# Altium PCB Power_PCB.PcbDoc (continued)
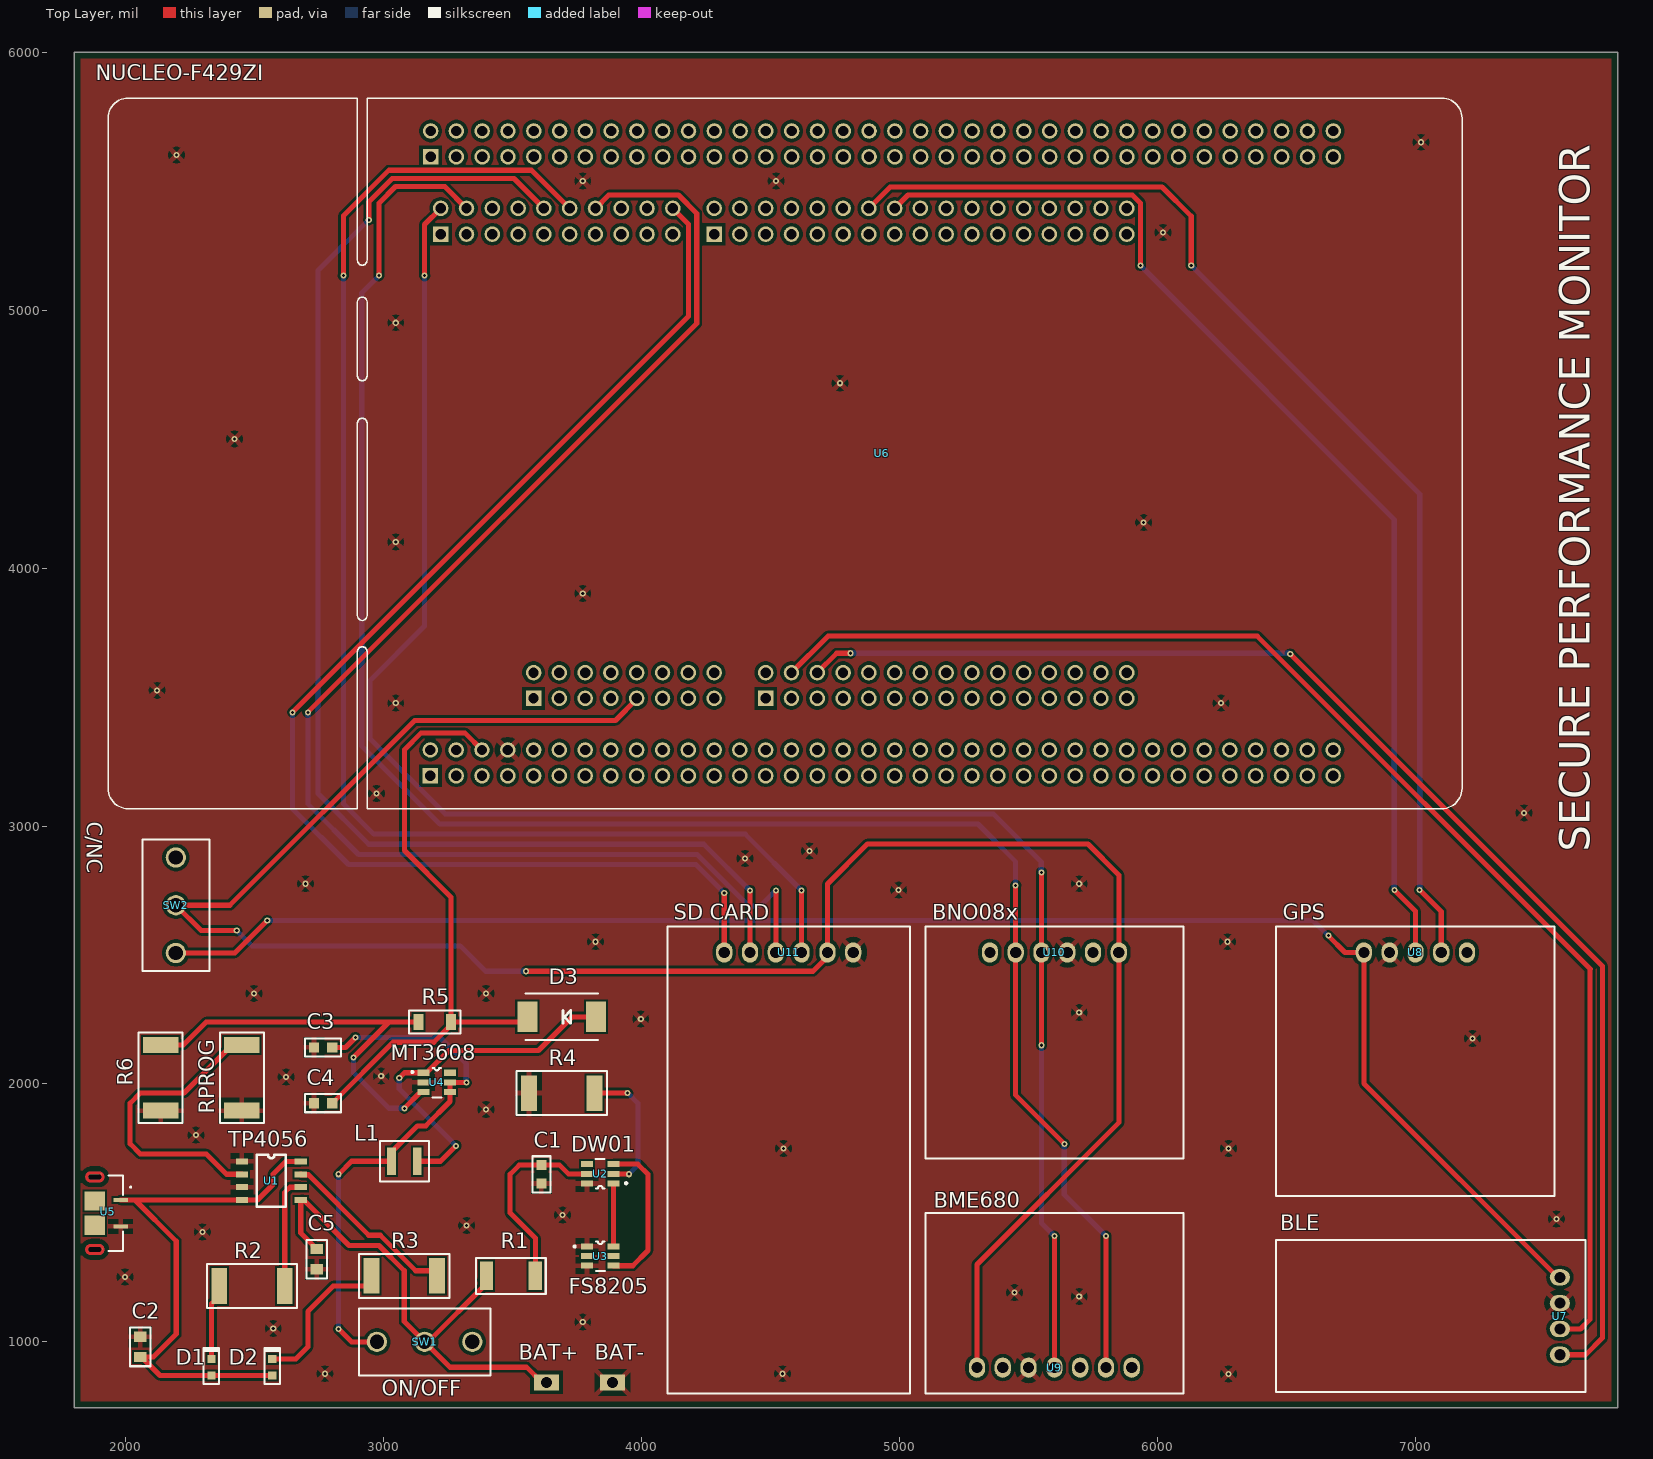
[diagram p0: Top Layer view]
## Footprints (in the part's own frame and the unit in brackets; to place one, negate y for a bottom-side part, rotate by r counter-clockwise, add the part's x,y. Pads: shape width x height; smd on the part's side, far side on the other; paste and mask are expansions set on the pad) (continued)
  Top Layer region: 4.1,-0.4 4.099,-0.427 4.097,-0.455 4.094,-0.482 4.089,-0.509 4.082,-0.536 4.074,-0.562 4.065,-0.588 4.055,-0.614 4.043,-0.638 4.03,-0.663 4.015,-0.686 4,-0.709 3.983,-0.73 3.965,-0.751 3.946,-0.771 3.926,-0.79 3.905,-0.808 3.884,-0.825 3.861,-0.84 3.838,-0.855 3.813,-0.868 3.789,-0.88 3.763,-0.89 3.737,-0.899 3.711,-0.907 3.684,-0.914 3.657,-0.919 3.63,-0.922 3.602,-0.924 3.575,-0.925 3.548,-0.924 3.52,-0.922 3.493,-0.919 3.466,-0.914 3.439,-0.907 3.413,-0.899 3.387,-0.89 3.361,-0.88 3.337,-0.868 3.313,-0.855 3.289,-0.84 3.266,-0.825 3.245,-0.808 3.224,-0.79 3.204,-0.771 3.185,-0.751 3.167,-0.73 3.15,-0.709 3.135,-0.686 3.12,-0.663 3.107,-0.638 3.095,-0.614 3.085,-0.588 3.076,-0.562 3.068,-0.536 3.061,-0.509 3.056,-0.482 3.053,-0.455 3.051,-0.427 3.05,-0.4 3.05,0 3.35,0 3.35,-0.4 3.35,-0.412 3.351,-0.424 3.353,-0.435 3.355,-0.447 3.358,-0.458 3.361,-0.47 3.365,-0.481 3.369,-0.492 3.375,-0.502 3.38,-0.513 3.386,-0.523 3.393,-0.532 3.4,-0.542 3.408,-0.551 3.416,-0.559 3.424,-0.567 3.433,-0.575 3.443,-0.582 3.452,-0.589 3.463,-0.595 3.473,-0.6 3.483,-0.606 3.494,-0.61 3.505,-0.614 3.517,-0.617 3.528,-0.62 3.54,-0.622 3.551,-0.624 3.563,-0.625 3.575,-0.625 3.587,-0.625 3.599,-0.624 3.61,-0.622 3.622,-0.62 3.633,-0.617 3.645,-0.614 3.656,-0.61 3.667,-0.606 3.677,-0.6 3.688,-0.595 3.698,-0.589 3.707,-0.582 3.717,-0.575 3.726,-0.567 3.734,-0.559 3.742,-0.551 3.75,-0.542 3.757,-0.532 3.764,-0.523 3.77,-0.513 3.775,-0.502 3.781,-0.492 3.785,-0.481 3.789,-0.47 3.792,-0.458 3.795,-0.447 3.797,-0.435 3.799,-0.424 3.8,-0.412 3.8,-0.4 3.8,0 4.1,0
  Bottom Layer region: -3.548,0.924 -3.52,0.922 -3.493,0.919 -3.466,0.914 -3.439,0.907 -3.413,0.899 -3.387,0.89 -3.361,0.88 -3.337,0.868 -3.313,0.855 -3.289,0.84 -3.266,0.825 -3.245,0.808 -3.224,0.79 -3.204,0.771 -3.185,0.751 -3.167,0.73 -3.15,0.709 -3.135,0.686 -3.12,0.663 -3.107,0.638 -3.095,0.614 -3.085,0.588 -3.076,0.562 -3.068,0.536 -3.061,0.509 -3.056,0.482 -3.053,0.455 -3.051,0.427 -3.05,0.4 -3.05,0 -3.35,0 -3.35,0.4 -3.35,0.412 -3.351,0.424 -3.353,0.435 -3.355,0.447 -3.358,0.458 -3.361,0.47 -3.365,0.481 -3.369,0.492 -3.375,0.502 -3.38,0.513 -3.386,0.523 -3.393,0.532 -3.4,0.542 -3.408,0.551 -3.416,0.559 -3.424,0.567 -3.433,0.575 -3.443,0.582 -3.452,0.589 -3.463,0.595 -3.473,0.6 -3.483,0.606 -3.494,0.61 -3.505,0.614 -3.517,0.617 -3.528,0.62 -3.54,0.622 -3.551,0.624 -3.563,0.625 -3.575,0.625 -3.587,0.625 -3.599,0.624 -3.61,0.622 -3.622,0.62 -3.633,0.617 -3.645,0.614 -3.656,0.61 -3.667,0.606 -3.677,0.6 -3.688,0.595 -3.698,0.589 -3.707,0.582 -3.717,0.575 -3.726,0.567 -3.734,0.559 -3.742,0.551 -3.75,0.542 -3.757,0.532 -3.764,0.523 -3.77,0.513 -3.775,0.502 -3.781,0.492 -3.785,0.481 -3.789,0.47 -3.792,0.458 -3.795,0.447 -3.797,0.435 -3.799,0.424 -3.8,0.412 -3.8,0.4 -3.8,0 -4.1,0 -4.1,0.4 -4.099,0.427 -4.097,0.455 -4.094,0.482 -4.089,0.509 -4.082,0.536 -4.074,0.562 -4.065,0.588 -4.055,0.614 -4.043,0.638 -4.03,0.663 -4.015,0.686 -4,0.709 -3.983,0.73 -3.965,0.751 -3.946,0.771 -3.926,0.79 -3.905,0.808 -3.884,0.825 -3.861,0.84 -3.838,0.855 -3.813,0.868 -3.789,0.88 -3.763,0.89 -3.737,0.899 -3.711,0.907 -3.684,0.914 -3.657,0.919 -3.63,0.922 -3.602,0.924 -3.575,0.925
  Bottom Layer region: -3.05,-0.4 -3.051,-0.427 -3.053,-0.455 -3.056,-0.482 -3.061,-0.509 -3.068,-0.536 -3.076,-0.562 -3.085,-0.588 -3.095,-0.614 -3.107,-0.638 -3.12,-0.663 -3.135,-0.686 -3.15,-0.709 -3.167,-0.73 -3.185,-0.751 -3.204,-0.771 -3.224,-0.79 -3.245,-0.808 -3.266,-0.825 -3.289,-0.84 -3.313,-0.855 -3.337,-0.868 -3.361,-0.88 -3.387,-0.89 -3.413,-0.899 -3.439,-0.907 -3.466,-0.914 -3.493,-0.919 -3.52,-0.922 -3.548,-0.924 -3.575,-0.925 -3.602,-0.924 -3.63,-0.922 -3.657,-0.919 -3.684,-0.914 -3.711,-0.907 -3.737,-0.899 -3.763,-0.89 -3.789,-0.88 -3.813,-0.868 -3.838,-0.855 -3.861,-0.84 -3.884,-0.825 -3.905,-0.808 -3.926,-0.79 -3.946,-0.771 -3.965,-0.751 -3.983,-0.73 -4,-0.709 -4.015,-0.686 -4.03,-0.663 -4.043,-0.638 -4.055,-0.614 -4.065,-0.588 -4.074,-0.562 -4.082,-0.536 -4.089,-0.509 -4.094,-0.482 -4.097,-0.455 -4.099,-0.427 -4.1,-0.4 -4.1,0 -3.8,0 -3.8,-0.4 -3.8,-0.412 -3.799,-0.424 -3.797,-0.435 -3.795,-0.447 -3.792,-0.458 -3.789,-0.47 -3.785,-0.481 -3.781,-0.492 -3.775,-0.502 -3.77,-0.513 -3.764,-0.523 -3.757,-0.532 -3.75,-0.542 -3.742,-0.551 -3.734,-0.559 -3.726,-0.567 -3.717,-0.575 -3.707,-0.582 -3.698,-0.589 -3.688,-0.595 -3.677,-0.6 -3.667,-0.606 -3.656,-0.61 -3.645,-0.614 -3.633,-0.617 -3.622,-0.62 -3.61,-0.622 -3.599,-0.624 -3.587,-0.625 -3.575,-0.625 -3.563,-0.625 -3.551,-0.624 -3.54,-0.622 -3.528,-0.62 -3.517,-0.617 -3.505,-0.614 -3.494,-0.61 -3.483,-0.606 -3.473,-0.6 -3.463,-0.595 -3.452,-0.589 -3.443,-0.582 -3.433,-0.575 -3.424,-0.567 -3.416,-0.559 -3.408,-0.551 -3.4,-0.542 -3.393,-0.532 -3.386,-0.523 -3.38,-0.513 -3.375,-0.502 -3.369,-0.492 -3.365,-0.481 -3.361,-0.47 -3.358,-0.458 -3.355,-0.447 -3.353,-0.435 -3.351,-0.424 -3.35,-0.412 -3.35,-0.4 -3.35,0 -3.05,0
  Bottom Layer region: 3.602,0.924 3.63,0.922 3.657,0.919 3.684,0.914 3.711,0.907 3.737,0.899 3.763,0.89 3.789,0.88 3.813,0.868 3.838,0.855 3.861,0.84 3.884,0.825 3.905,0.808 3.926,0.79 3.946,0.771 3.965,0.751 3.983,0.73 4,0.709 4.015,0.686 4.03,0.663 4.043,0.638 4.055,0.614 4.065,0.588 4.074,0.562 4.082,0.536 4.089,0.509 4.094,0.482 4.097,0.455 4.099,0.427 4.1,0.4 4.1,0 3.8,0 3.8,0.4 3.8,0.412 3.799,0.424 3.797,0.435 3.795,0.447 3.792,0.458 3.789,0.47 3.785,0.481 3.781,0.492 3.775,0.502 3.77,0.513 3.764,0.523 3.757,0.532 3.75,0.542 3.742,0.551 3.734,0.559 3.726,0.567 3.717,0.575 3.707,0.582 3.698,0.589 3.688,0.595 3.677,0.6 3.667,0.606 3.656,0.61 3.645,0.614 3.633,0.617 3.622,0.62 3.61,0.622 3.599,0.624 3.587,0.625 3.575,0.625 3.563,0.625 3.551,0.624 3.54,0.622 3.528,0.62 3.517,0.617 3.505,0.614 3.494,0.61 3.483,0.606 3.473,0.6 3.463,0.595 3.452,0.589 3.443,0.582 3.433,0.575 3.424,0.567 3.416,0.559 3.408,0.551 3.4,0.542 3.393,0.532 3.386,0.523 3.38,0.513 3.375,0.502 3.369,0.492 3.365,0.481 3.361,0.47 3.358,0.458 3.355,0.447 3.353,0.435 3.351,0.424 3.35,0.412 3.35,0.4 3.35,0 3.05,0 3.05,0.4 3.051,0.427 3.053,0.455 3.056,0.482 3.061,0.509 3.068,0.536 3.076,0.562 3.085,0.588 3.095,0.614 3.107,0.638 3.12,0.663 3.135,0.686 3.15,0.709 3.167,0.73 3.185,0.751 3.204,0.771 3.224,0.79 3.245,0.808 3.266,0.825 3.289,0.84 3.313,0.855 3.337,0.868 3.361,0.88 3.387,0.89 3.413,0.899 3.439,0.907 3.466,0.914 3.493,0.919 3.52,0.922 3.548,0.924 3.575,0.925
  Bottom Layer region: 4.1,-0.4 4.099,-0.427 4.097,-0.455 4.094,-0.482 4.089,-0.509 4.082,-0.536 4.074,-0.562 4.065,-0.588 4.055,-0.614 4.043,-0.638 4.03,-0.663 4.015,-0.686 4,-0.709 3.983,-0.73 3.965,-0.751 3.946,-0.771 3.926,-0.79 3.905,-0.808 3.884,-0.825 3.861,-0.84 3.838,-0.855 3.813,-0.868 3.789,-0.88 3.763,-0.89 3.737,-0.899 3.711,-0.907 3.684,-0.914 3.657,-0.919 3.63,-0.922 3.602,-0.924 3.575,-0.925 3.548,-0.924 3.52,-0.922 3.493,-0.919 3.466,-0.914 3.439,-0.907 3.413,-0.899 3.387,-0.89 3.361,-0.88 3.337,-0.868 3.313,-0.855 3.289,-0.84 3.266,-0.825 3.245,-0.808 3.224,-0.79 3.204,-0.771 3.185,-0.751 3.167,-0.73 3.15,-0.709 3.135,-0.686 3.12,-0.663 3.107,-0.638 3.095,-0.614 3.085,-0.588 3.076,-0.562 3.068,-0.536 3.061,-0.509 3.056,-0.482 3.053,-0.455 3.051,-0.427 3.05,-0.4 3.05,0 3.35,0 3.35,-0.4 3.35,-0.412 3.351,-0.424 3.353,-0.435 3.355,-0.447 3.358,-0.458 3.361,-0.47 3.365,-0.481 3.369,-0.492 3.375,-0.502 3.38,-0.513 3.386,-0.523 3.393,-0.532 3.4,-0.542 3.408,-0.551 3.416,-0.559 3.424,-0.567 3.433,-0.575 3.443,-0.582 3.452,-0.589 3.463,-0.595 3.473,-0.6 3.483,-0.606 3.494,-0.61 3.505,-0.614 3.517,-0.617 3.528,-0.62 3.54,-0.622 3.551,-0.624 3.563,-0.625 3.575,-0.625 3.587,-0.625 3.599,-0.624 3.61,-0.622 3.622,-0.62 3.633,-0.617 3.645,-0.614 3.656,-0.61 3.667,-0.606 3.677,-0.6 3.688,-0.595 3.698,-0.589 3.707,-0.582 3.717,-0.575 3.726,-0.567 3.734,-0.559 3.742,-0.551 3.75,-0.542 3.757,-0.532 3.764,-0.523 3.77,-0.513 3.775,-0.502 3.781,-0.492 3.785,-0.481 3.789,-0.47 3.792,-0.458 3.795,-0.447 3.797,-0.435 3.799,-0.424 3.8,-0.412 3.8,-0.4 3.8,0 4.1,0
  silkscreen extent -3.7,1.37 3.7,3.58

## Part data
C1: library part 478-5052-1-ND, "Cap Ceramic 0.1uF 6.3VDC X5R 10% SMD 0201 Paper T/R", Capacitance=100nF, Case Code (Imperial)=0201, Case Code (Metric)=0603, Dielectric=X5R, Manufacturer=Samsung, Manufacturer Part Number=CL03A104KQ3NNNC, Max Operating Temperature=85°C, Min Operating Temperature=-55°C, Package Quantity=1, Supplier Part Number 1=1276-1013-1-ND, Tolerance=10%, Voltage=6.3V, Case/Package=0201, Category="Ceramic Capacitors", ComponentLink1Description=https://datasheet.ciiva.com/15195/getdatasheetpartid-355266-15195551.pdf?src-supplier=Verical, ComponentLink1URL=https://datasheet.ciiva.com/15195/getdatasheetpartid-355266-15195551.pdf?src-supplier=Verical, ComponentLink2Description=https://datasheet.ciiva.com/16355/cl03a104kq3nnnc-16355155.pdf?src-supplier=Future+Electronics, ComponentLink2URL=https://datasheet.ciiva.com/16355/cl03a104kq3nnnc-16355155.pdf?src-supplier=Future+Electronics, ComponentLink3Description=https://datasheet.ciiva.com/26309/mlcc-catalogdownload2013-eng-26309017.pdf?src-supplier=Distrelec, ComponentLink3URL=https://datasheet.ciiva.com/26309/mlcc-catalogdownload2013-eng-26309017.pdf?src-supplier=Distrelec, Construction=Flat, Contact Plating=Tin, Depth=0.3mm, Height=0.3mm, Lead Free="Lead Free", Length=0.6mm, Mount="Surface Mount", Packaging="Tape and Reel", Pricing 1="1=0.10000, 10=0.01700, 50=0.00940, 100=0.00760, 500=0.00544, 1000=0.00427, 2500=0.00388, 5000=0.00357 (USD)", Radiation Hardening=No, RoHS=Yes, Series=CL, Stock 1=6993845, Supplier 1=Digi-Key, Thickness=0.013inch, Voltage Rating=6.3V, Voltage Rating (DC)=6.3V, Width=0.012inch
C2 C5: library part CL21A106KQFNNNE, "Cap Ceramic 10uF 6.3V X5R 10% SMD 0805 85C Embossed T/R", Capacitance=10uF, Case Code (Imperial)=0805, Case Code (Metric)=2012, Dielectric=X5R, Manufacturer=Samsung, Max Operating Temperature=85°C, Min Operating Temperature=-55°C, Package Quantity=1, Supplier Part Number 1=1276-1122-1-ND, Tolerance=10%, Voltage Rating=6.3V, Case/Package=0805, Category="Ceramic Capacitors", ComponentLink1Description=https://datasheet.ciiva.com/15195/getdatasheetpartid-39111-15195859.pdf?src-supplier=Verical, ComponentLink1URL=https://datasheet.ciiva.com/15195/getdatasheetpartid-39111-15195859.pdf?src-supplier=Verical, ComponentLink2Description=https://datasheet.ciiva.com/16294/cl05b104kq5nnnc-16294137.pdf?src-supplier=Future+Electronics, ComponentLink2URL=https://datasheet.ciiva.com/16294/cl05b104kq5nnnc-16294137.pdf?src-supplier=Future+Electronics, Construction=Flat, Contact Plating=Tin, Depth=1.25mm, Height=1.25mm, Lead Free="Lead Free", Length=2mm, Manufacturer Part Number=CL21A106KQFNNNE, Mount="Surface Mount", Packaging="Tape and Reel", Pricing 1="1=0.12000, 10=0.09000, 50=0.04880, 100=0.03990, 500=0.02850, 1000=0.02239 (USD)", Radiation Hardening=No, RoHS=Yes, RoHS Compliant=Yes, Series=CL, Stock 1=54959, Supplier 1=Digi-Key, Thickness=0.053inch, Voltage Rating (DC)=6.3V, Width=0.049inch
C3 C4: library part 1276-1013-1-ND, "Cap Ceramic 22uF 6.3V X5R 20% SMD 0603 85°C Cardboard T/R", Capacitance=22uF, Case Code (Imperial)=0603, Case Code (Metric)=1608, Dielectric=X5R, Manufacturer=Samsung, Manufacturer Part Number=CL10A226MQ8NRNC, Max Operating Temperature=85°C, Min Operating Temperature=-55°C, Package Quantity=1, Supplier Part Number 1=1276-1193-1-ND, Tolerance=20%, Voltage=6.3V, Case/Package=0603, Category="Ceramic Capacitors", ComponentLink1Description=https://datasheet.ciiva.com/25790/cl10a226mq8nrnc-25790695.pdf?src-supplier=Digi-Key, ComponentLink1URL=https://datasheet.ciiva.com/25790/cl10a226mq8nrnc-25790695.pdf?src-supplier=Digi-Key, ComponentLink2Description=https://datasheet.ciiva.com/26838/getdatasheetpartid-353311-26838372.pdf?src-supplier=Verical, ComponentLink2URL=https://datasheet.ciiva.com/26838/getdatasheetpartid-353311-26838372.pdf?src-supplier=Verical, ComponentLink3Description=https://datasheet.ciiva.com/29198/457121-da-01-en-vs-kondensator-0603-29198747.pdf?src-supplier=Conrad, ComponentLink3URL=https://datasheet.ciiva.com/29198/457121-da-01-en-vs-kondensator-0603-29198747.pdf?src-supplier=Conrad, ComponentLink4Description=https://datasheet.ciiva.com/16437/cl05b104kq5nnnc-16437317.pdf?src-supplier=Future+Electronics, ComponentLink4URL=https://datasheet.ciiva.com/16437/cl05b104kq5nnnc-16437317.pdf?src-supplier=Future+Electronics, Construction=Flat, Contact Plating=Tin, Depth=0.8mm, Height=0.8mm, Length=1.6mm, Material=Ceramic, Mount="Surface Mount", Packaging="Tape and Reel", Pricing 1="1=0.31000, 10=0.21000, 50=0.12600, 100=0.10640, 500=0.07280, 1000=0.06441 (USD)", Radiation Hardening=No, RoHS=Yes, RoHS Compliant=Yes, Series=CL, Stock 1=950255, Supplier 1=Digi-Key, Thickness=0.039inch, Voltage Rating=6.3V, Width=0.031inch
D1: library part SML-E12M8WT86, "LED Uni-Color Yellow Green 2-Pin Chip LED T/R", Case Code (Imperial)=0603, Case Code (Metric)=1608, Color=Green,Yellow, Forward Current=20mA, Forward Voltage=2.2V, Illumination Color=Green, Lens Color=White, Manufacturer=Rohm, Max Operating Temperature=85°C, Min Operating Temperature=-40°C, Package Quantity=1, Supplier Part Number 1=511-1584-1-ND, Case/Package=0603, Category=LEDs, ComponentLink1Description=https://datasheet.ciiva.com/16391/rohm20sml-e12m8wt86-16391779.pdf?src-supplier=Future+Electronics, ComponentLink1URL=https://datasheet.ciiva.com/16391/rohm20sml-e12m8wt86-16391779.pdf?src-supplier=Future+Electronics, ComponentLink2Description=https://datasheet.ciiva.com/2110/sml-e1-2110342.pdf?src-supplier=Digi-Key, ComponentLink2URL=https://datasheet.ciiva.com/2110/sml-e1-2110342.pdf?src-supplier=Digi-Key, ComponentLink3Description=https://datasheet.ciiva.com/2110/sml-e1-2110343.pdf?src-supplier=Digi-Key, ComponentLink3URL=https://datasheet.ciiva.com/2110/sml-e1-2110343.pdf?src-supplier=Digi-Key, ComponentLink4Description=https://datasheet.ciiva.com/2110/sml-e1-2110344.pdf?src-supplier=Digi-Key, ComponentLink4URL=https://datasheet.ciiva.com/2110/sml-e1-2110344.pdf?src-supplier=Digi-Key, Dominant Wavelength=572nm, Height=0.46mm, Lead Free="Lead Free", Length=1.6mm, Lens Style=Diffused,Colorless,Rectangular, Lens Transparency=Diffused, Luminous Intensity=25mcd, Manufacturer Part Number=SML-E12M8WT86, Mount="Surface Mount", Number of LEDs=1, Number of Pins=2, Packaging="Tape and Reel", Pricing 1="1=0.31000, 10=0.24400, 100=0.10940, 500=0.09884, 1000=0.08119, 2000=0.07060 (USD)", Radiation Hardening=No, RoHS=Yes, RoHS Compliant=Yes, Series=EXCELED™, Stock 1=6086, Supplier 1=Digi-Key, Test Current=20mA, Viewing Angle=140°, Wavelength=572nm, Width=0.8mm
D2: library part SML-E12U8WT86, "ROHM - SML-E12U8WT86 - LED, Rosso, SMD, 603, 20 mA, 2.2 V, 620 nm", Case Code (Imperial)=0603, Case Code (Metric)=1608, Color=Red, Forward Current=20mA, Forward Voltage=2.2V, Lens Color=White, Manufacturer=Rohm, Max Operating Temperature=85°C, Min Operating Temperature=-40°C, Package Quantity=1, Supplier Part Number 1=511-1586-1-ND, Case/Package=0603, Category=LEDs, ComponentLink1Description=https://datasheet.ciiva.com/2110/sml-e1-2110339.pdf?src-supplier=Digi-Key, ComponentLink1URL=https://datasheet.ciiva.com/2110/sml-e1-2110339.pdf?src-supplier=Digi-Key, ComponentLink2Description=https://datasheet.ciiva.com/2110/sml-e1-2110340.pdf?src-supplier=Digi-Key, ComponentLink2URL=https://datasheet.ciiva.com/2110/sml-e1-2110340.pdf?src-supplier=Digi-Key, ComponentLink3Description=https://datasheet.ciiva.com/2110/sml-e1-2110341.pdf?src-supplier=Digi-Key, ComponentLink3URL=https://datasheet.ciiva.com/2110/sml-e1-2110341.pdf?src-supplier=Digi-Key, Dominant Wavelength=620nm, Height=0.46mm, Illumination Color=Red, Lead Free="Lead Free", Length=1.6mm, Lens Style=Diffused,Colorless,Rectangular,Clear, Lens Transparency=Diffused, Luminous Intensity=63mcd, Manufacturer Part Number=SML-E12U8WT86, Mount="Surface Mount", Number of LEDs=1, Number of Pins=2, Packaging="Tape and Reel", Pricing 1="1=0.31000, 10=0.24400, 100=0.10940, 500=0.09884, 1000=0.08119, 2000=0.07060 (USD)", Radiation Hardening=No, RoHS=Yes, RoHS Compliant=Yes, Series=EXCELED™, Stock 1=656, Supplier 1=Digi-Key, Test Current=20mA, Viewing Angle=140°, Wavelength=620nm, Width=0.8mm
D3: "DIODE SCHOTTKY 40V 3A SMC", Average Rectified Current=3A, Case/Package=SMC, Forward Voltage=500mV, Manufacturer="ON Semiconductor / Fairchild", Max Forward Surge Current (Ifsm)=100A, Max Operating Temperature=150°C, Max Power Dissipation=2.27W, Max Repetitive Reverse Voltage (Vrrm)=40V, Max Reverse Current=500uA, Min Operating Temperature=-55°C, Package Quantity=1, Supplier Part Number 1=SS34FSCT-ND, Category="Schottky Diodes", ComponentLink1Description=https://datasheet.ciiva.com/911/ss34-911088.pdf?src-supplier=Avnet, ComponentLink1URL=https://datasheet.ciiva.com/911/ss34-911088.pdf?src-supplier=Avnet, ComponentLink2Description=https://datasheet.ciiva.com/23832/1725604-23832651.pdf?src-supplier=Newark, ComponentLink2URL=https://datasheet.ciiva.com/23832/1725604-23832651.pdf?src-supplier=Newark, ComponentLink3Description=https://datasheet.ciiva.com/34301/1090087-34301975.pdf?src-supplier=Jameco, ComponentLink3URL=https://datasheet.ciiva.com/34301/1090087-34301975.pdf?src-supplier=Jameco, ComponentLink4Description=https://datasheet.ciiva.com/34302/1547649-34302462.pdf?src-supplier=Jameco, ComponentLink4URL=https://datasheet.ciiva.com/34302/1547649-34302462.pdf?src-supplier=Jameco, ComponentLink5Description=https://datasheet.ciiva.com/4715/ss34-197057-4715255.pdf?src-supplier=Mouser, ComponentLink5URL=https://datasheet.ciiva.com/4715/ss34-197057-4715255.pdf?src-supplier=Mouser, ComponentLink6Description=https://datasheet.ciiva.com/7965/1774678-7965245.pdf?src-supplier=Element14, ComponentLink6URL=https://datasheet.ciiva.com/7965/1774678-7965245.pdf?src-supplier=Element14, ComponentLink7Description=https://datasheet.ciiva.com/8300/ss39-8300583.pdf?src-supplier=Avnet, ComponentLink7URL=https://datasheet.ciiva.com/8300/ss39-8300583.pdf?src-supplier=Avnet, ComponentLink8Description=https://datasheet.ciiva.com/911/ss34-911086.pdf?src-supplier=Digi-Key, ComponentLink8URL=https://datasheet.ciiva.com/911/ss34-911086.pdf?src-supplier=Digi-Key, ComponentLink9Description=https://datasheet.ciiva.com/911/ss34-911087.pdf?src-supplier=Digi-Key, ComponentLink9URL=https://datasheet.ciiva.com/911/ss34-911087.pdf?src-supplier=Digi-Key, ComponentLink10Description=https://datasheet.ciiva.com/911/ss34-911085.pdf?src-supplier=Digi-Key, ComponentLink10URL=https://datasheet.ciiva.com/911/ss34-911085.pdf?src-supplier=Digi-Key, Contact Plating=Tin,Matte, Current=3A, Current Rating=3A, Element Configuration=Single, Forward Current=3A, Height=2.75mm, Lead Free="Lead Free", Length=7.15mm, Manufacturer Part Number=SS34, Max Reverse Leakage Current=500uA, Max Reverse Voltage (DC)=40V, Max Surge Current=100A, Mount="Surface Mount", Number of Elements=1, Number of Pins=2, Number of Terminals/Pins=2, Output Current=3A, Packaging="Tape and Reel", Peak Non-Repetitive Surge Current=100A, Polarity=Standard, Pricing 1="1=0.65000, 10=0.57500, 100=0.44120, 500=0.34874, 1000=0.28788 (USD)", Radiation Hardening=No, REACH SVHC="No SVHC", RoHS=Yes, RoHS Compliant=Yes, Stock 1=16899, Supplier 1=Digi-Key, Voltage=40V, Voltage Rating (DC)=40V, Width=6.25mm
L1: library part CBC3225T220MR, "Inductor Power Chip Wirewound 22uH 20% 100KHz Ferrite 0.62A 0.351Ohm DCR 1210 T/R", Case Code (Imperial)=1210, Case Code (Metric)=3225, Current Rating=780mA, DC Resistance (DCR)=351mR, Inductance Tolerance=20%, Manufacturer="Taiyo Yuden", Max Operating Temperature=105°C, Min Operating Temperature=-40°C, Package Quantity=1000, Resistor Type=Wirewound, Saturation Current=620mA, Self Resonant Frequency=17MHz, Supplier Part Number 1=963-CBC3225T220MR, Test Frequency=100kHz, Case/Package=1210, Category="Fixed Inductors", ComponentLink1Description=https://datasheet.ciiva.com/8503/cbc3225t220mr-ss-8503638.pdf?src-supplier=Avnet, ComponentLink1URL=https://datasheet.ciiva.com/8503/cbc3225t220mr-ss-8503638.pdf?src-supplier=Avnet, ComponentLink2Description=https://datasheet.ciiva.com/15981/506cbc3225t220mr-15981705.pdf?src-supplier=Onlinecomponents.com, ComponentLink2URL=https://datasheet.ciiva.com/15981/506cbc3225t220mr-15981705.pdf?src-supplier=Onlinecomponents.com, ComponentLink3Description=https://datasheet.ciiva.com/22624/1697178-22624159.pdf?src-supplier=Element14, ComponentLink3URL=https://datasheet.ciiva.com/22624/1697178-22624159.pdf?src-supplier=Element14, ComponentLink4Description=https://datasheet.ciiva.com/26871/getdatasheetpartid-637427-26871177.pdf?src-supplier=Verical, ComponentLink4URL=https://datasheet.ciiva.com/26871/getdatasheetpartid-637427-26871177.pdf?src-supplier=Verical, ComponentLink5Description=https://datasheet.ciiva.com/7291/cbc3225t220mr-ss-7291520.pdf?src-supplier=Newark, ComponentLink5URL=https://datasheet.ciiva.com/7291/cbc3225t220mr-ss-7291520.pdf?src-supplier=Newark, ComponentLink6Description=https://datasheet.ciiva.com/28479/1521599-28479565.pdf?src-supplier=Element14, ComponentLink6URL=https://datasheet.ciiva.com/28479/1521599-28479565.pdf?src-supplier=Element14, Core Material=Ferrite, DC Current=780mA, Depth=2.7mm, Halogen Free="Halogen Free", Height=2.5mm, Height - Seated (Max)=0.106inch, Inductance=22uH, Lead Free="Lead Free", Length=0.126inch, Manufacturer Part Number=CBC3225T220MR, Max DC Current=780mA, Military Standard=Not, Mount="Surface Mount", Number of Pins=2, Packaging="Tape and Reel", Pricing 1="1=0.31000, 10=0.22500, 50=0.22500, 100=0.18300, 1000=0.12800, 10000=0.10200 (USD)", Radiation Hardening=No, REACH SVHC=Unknown, RoHS=Yes, RoHS Compliant=Yes, Series=CB, Shielding=Unshielded, Stock 1=156168, Supplier 1=Mouser, Termination=SMD/SMT, Tolerance=20%, Width=0.098inch
R1: library part RMCP2010JT100R, "RES 100 OHM 1W 5% 2010", Case Code (Imperial)=2010, Case Code (Metric)=5025, Manufacturer="Stackpole Electronics", Max Operating Temperature=155°C, Max Power Dissipation=1W, Min Operating Temperature=-55°C, Package Quantity=4000, Resistance=100R, Resistor Type="Thick Film", Supplier Part Number 1=RMCP2010JT100RCT-ND, Temperature Coefficient=100ppm/°C, Tolerance=5%, Case/Package=2010, Category="Chip SMD Resistors", ComponentLink1Description=https://www.seielect.com/Catalog/SEI-RMCF_RMCP.pdf?src-supplier=Digi-Key, ComponentLink1URL=https://www.seielect.com/Catalog/SEI-RMCF_RMCP.pdf?src-supplier=Digi-Key, ComponentLink2Description=https://www.seielect.com/catalog/SEI-Packaging.pdf?src-supplier=Digi-Key, ComponentLink2URL=https://www.seielect.com/catalog/SEI-Packaging.pdf?src-supplier=Digi-Key, ComponentLink3Description=https://www.seielect.com/Catalog/SEI-RMCF_RMCP.pdf?src-supplier=Avnet, ComponentLink3URL=https://www.seielect.com/Catalog/SEI-RMCF_RMCP.pdf?src-supplier=Avnet, Height=0.028inch, Lead Free="Lead Free", Length=0.197inch, Manufacturer Part Number=RMCP2010JT100R, Number of Terminations=2, Packaging="Tape and Reel", Pricing 1="1=0.41000, 10=0.29800, 100=0.11900, 1000=0.05865 (USD)", RoHS=Yes, RoHS Compliant=Yes, Series=RMCP, Stock 1=13184, Supplier 1=Digi-Key, Width=0.098inch
R2 R3 R4 R6: library part RMCF2512JT1K00, "Res Thick Film 2512 1K Ohm 5% 1W ±200ppm/°C Molded SMD Plastic T/R", Case Code (Imperial)=2512, Case Code (Metric)=6432, Manufacturer="Stackpole Electronics", Max Operating Temperature=155°C, Max Power Dissipation=1W, Min Operating Temperature=-55°C, Resistance=1kR, Resistor Type="Thick Film", Supplier Part Number 1=RMCF2512JT1K00CT-ND, Temperature Coefficient=200ppm/°C, Tolerance=5%, Case/Package=2512, Category="Chip SMD Resistors", ComponentLink1Description=https://datasheet.ciiva.com/15193/getdatasheetpartid-368669-15193877.pdf?src-supplier=Verical, ComponentLink1URL=https://datasheet.ciiva.com/15193/getdatasheetpartid-368669-15193877.pdf?src-supplier=Verical, Construction=Rectangular, Contact Plating=Tin,Matte, Depth=3.2mm, Features="Automotive AEC-Q200", Height=0.028inch, Lead Free="Lead Free", Length=6.3mm, Manufacturer Part Number=RMCF2512JT1K00, Military Standard=Not, Mount="Surface Mount", Number of Terminations=2, Packaging="Tape and Reel", Power Rating=1W, Pricing 1="1=0.30000, 10=0.25300, 100=0.09890, 1000=0.04140 (USD)", Radiation Hardening=No, RoHS=Yes, RoHS Compliant=Yes, Series=RMCF, Size Code=2512, Stock 1=61639, Supplier 1=Digi-Key, Width=0.126inch
R5: library part RMCF1206FT7K32, "RES SMD 7.32K OHM 1% 1/4W 1206", Case Code (Imperial)=1206, Case Code (Metric)=3216, Manufacturer="Stackpole Electronics", Max Operating Temperature=155°C, Max Power Dissipation=250mW, Min Operating Temperature=-55°C, Resistance=7.32kR, Resistor Type="Thick Film", Supplier Part Number 1=RMCF1206FT7K32CT-ND, Temperature Coefficient=100ppm/°C, Tolerance=1%, Case/Package=1206, Category="Chip SMD Resistors", ComponentLink1Description=http://components.arrow.com/part/dataview/50583323S134593N1174?src-supplier=Arrow+Electronics, ComponentLink1URL=http://components.arrow.com/part/dataview/50583323S134593N1174?src-supplier=Arrow+Electronics, ComponentLink2Description=https://www.seielect.com/catalog/SEI-RMCF_RMCP.pdf?src-supplier=Avnet, ComponentLink2URL=https://www.seielect.com/catalog/SEI-RMCF_RMCP.pdf?src-supplier=Avnet, ComponentLink3Description=https://www.seielect.com/Catalog/SEI-RMCF_RMCP.pdf?src-supplier=Digi-Key, ComponentLink3URL=https://www.seielect.com/Catalog/SEI-RMCF_RMCP.pdf?src-supplier=Digi-Key, ComponentLink4Description=https://www.seielect.com/catalog/SEI-Packaging.pdf?src-supplier=Digi-Key, ComponentLink4URL=https://www.seielect.com/catalog/SEI-Packaging.pdf?src-supplier=Digi-Key, Contact Plating=Tin,Matte, Features="Automotive AEC-Q200", Height=0.028inch, Length=0.126inch, Manufacturer Part Number=RMCF1206FT7K32, Mount="Surface Mount", Number of Terminations=2, Packaging="Tape and Reel", Pricing 1="1=0.10000, 10=0.03600, 100=0.01460, 1000=0.00655, 2500=0.00569 (USD)", Radiation Hardening=No, RoHS=Yes, RoHS Compliant=Yes, Series=RMCF, Stock 1=3049, Supplier 1=Digi-Key, Width=0.063inch
RPROG: library part RMCF2512JT1K20, "Res Thick Film 2512 1.2K Ohm 5% 1W 100ppm/C Molded SMD SMD Plastic T/R", Case/Package=2512, Manufacturer="Stackpole Electronics", Max Operating Temperature=155°C, Max Power Dissipation=1W, Min Operating Temperature=-55°C, Package Quantity=4000, Resistance=1.2kR, Resistor Type="Thick Film", Supplier Part Number 1=RMCF2512JT1K20CT-ND, Temperature Coefficient=100ppm/°C, Tolerance=5%, Category="Chip SMD Resistors", ComponentLink1Description=https://datasheet.ciiva.com/15193/getdatasheetpartid-408032-15193878.pdf?src-supplier=Verical, ComponentLink1URL=https://datasheet.ciiva.com/15193/getdatasheetpartid-408032-15193878.pdf?src-supplier=Verical, Construction=Rectangular, Contact Plating=Tin,Matte, Depth=3.2mm, Features="Automotive AEC-Q200", Height=0.028inch, Lead Free="Lead Free", Length=0.248inch, Manufacturer Part Number=RMCF2512JT1K20, Military Standard=Not, Mount="Surface Mount", Number of Terminations=2, Packaging="Tape and Reel", Power Rating=1W, Pricing 1="1=0.30000, 10=0.25300, 100=0.09890, 1000=0.04140 (USD)", Radiation Hardening=No, RoHS=Yes, RoHS Compliant=Yes, Series=RMCF, Size Code=2512, Stock 1=2092, Supplier 1=Digi-Key, Width=0.126inch
SW1 SW2: library part Switch
U5: library part USB3090-30-A, "Micro A/b Skt, Bottom-smt, R/a, 3", Manufacturer="Global Connector Technology", Supplier Part Number 1=24AC9900, Category="USB Connectors", ComponentLink1Description=https://datasheet.ciiva.com/6743/usb3090-6743569.pdf?src-supplier=Newark, ComponentLink1URL=https://datasheet.ciiva.com/6743/usb3090-6743569.pdf?src-supplier=Newark, ComponentLink2Description=https://datasheet.ciiva.com/16502/usb3090-16502726.pdf?src-supplier=Future+Electronics, ComponentLink2URL=https://datasheet.ciiva.com/16502/usb3090-16502726.pdf?src-supplier=Future+Electronics, ComponentLink3Description=https://datasheet.ciiva.com/7633/1912470-7633851.pdf?src-supplier=Element14, ComponentLink3URL=https://datasheet.ciiva.com/7633/1912470-7633851.pdf?src-supplier=Element14, Connector Type=USB, Contact Material="Copper Alloy", Contact Plating=Gold, Gender=Receptacle, Height=0.525inch, Lead Free="Lead Free", Length=0.525inch, Manufacturer Part Number=USB3090-30-A, Number of Contacts=5, Number of Positions=5, Orientation="Right Angle", Pricing 1="1=0.92100, 1500=0.88200, 3000=0.70900, 7500=0.63800, 10500=0.58100, 15000=0.53200 (USD)", REACH SVHC="No SVHC", RoHS=Yes, RoHS Compliant=Yes, Series=USB3090, Stock 1=1500, Supplier 1=Newark, Termination=SMD/SMT, USB Standard="USB 2.0", Weight=0.001lb, Width=0.525inch
U6: "STM32F429ZI, mbed-Enabled Development Nucleo-144 STM32F4 ARMÂ® CortexÂ®-M4 MCU 32-Bit Embedded Evaluation Board", Package=None, Availability=Bad, Check_prices=https://www.snapeda.com/parts/NUCLEO-F429ZI/STMicroelectronics/view-part/477252/?ref=eda, MF=STMicroelectronics, MP=NUCLEO-F429ZI, Price=None, Purchase-URL=https://pricing.snapeda.com/search/part/NUCLEO-F429ZI/?ref=eda, SnapEDA_Link=https://www.snapeda.com/parts/NUCLEO-F429ZI/STMicroelectronics/view-part/477252/?ref=snap
U11: library part "SD Card"

## Free pads (board coordinates)
  rect 98.43x62.99 hole 43.31: BAT+(3630.71,842.52) BAT-(3886.61,842.52)

## Via types
v1: diameter 23.62, hole 11.81, Top Layer to Bottom Layer, tented both sides, 82 vias

## Nets (pads, with @x,y where several pads share a name; then routed paths per layer and width w, separated by ;. In a path a pad name is that pad's centre, name@x,y a point inside that pad or via, vN(x,y) a via of type N, cw(c..) or ccw(c..) an arc to the next point about the centre after c; other vN are vias at no path point)
5V_SENSORS: SW2.2 U6.CN8_9 U9.1 U10.1 U11.2 | length 8439.9
  Top Layer w19.68: U11.2 4720,2775 4875,2930 5730,2930 5850,2810 U10.1 5850,1850 5300,1300 U9.1
  Top Layer w20: v1(2429.92,2594.49) 2292.13,2594.49 SW2.2 2402.91,2692.91 3119.65,3409.65 3898.23,3409.65 3980.71,3492.12 U6.CN8_9 ; v1(3551.97,2437.01) 4663.78,2437.01 4720,2493.23 U11.2
  Bottom Layer w20: v1(2429.92,2594.49) 2488.98,2535.43 3296.06,2535.43 3394.49,2437.01 v1(3551.97,2437.01)
5V_SENSORS_SW: SW2.1 U7.4 U8.5 | length 6289.2
  Top Layer w19.68: v1(6662.2,2574.8) 6727.01,2510 U8.5 6800,2002.13 7552.13,1250 U7.4
  Top Layer w20: SW2.1 2422.05,2507.87 v1(2548.03,2633.86)
  Bottom Layer w20: v1(2548.03,2633.86) 6603.15,2633.86 v1(6662.2,2574.8)
BAT+: C5.2 pad.BAT+ R1.2 SW1.2 U1.5 | length 1964.9
  Top Layer w20: C5.2 2735.08,1360 2725.39,1369.69 2725.39,1374.61 2677.95,1422.05 U1.5 2689.76,1549.61 2865.35,1374.02 2981.1,1374.02 3079.53,1275.59 3079.53,1078.74 SW1.2 ; R1.2@3382.68,1240.16 R1.2 3398.43,1226.38 3172.05,1000 SW1.2 ; pad.BAT+ 3612.99,842.52 3553.94,901.57 3256.69,901.57 SW1.2
BAT-: C1.1 C2.1 C3.1 C4.1 C5.1 pad.BAT- R4.1 R6.1 RPROG.1 U1.1 U1.3 U2.6 U3.1 U3.3 U4.2 U5.5 U6.CN11_8 U7.3 U8.4 U9.3 U10.3 U11.1
  other v1: 6275,875 2771.41,876.26 4546.41,876.26 2571.41,1051.26 3771.41,1076.26 5696.41,1176.26 5445.26,1190.67 1996.41,1251.26 2296.41,1426.26 3321.41,1451.26 7546.41,1476.26 3693.35,1491.22 4550,1750 6275,1750 2271.41,1801.26 3396.41,1901.26 2621.41,2026.26 2990,2030 7221.41,2176.26 3996.41,2251.26 5696.41,2276.26 2496.41,2351.26 3396.41,2351.26 3821.41,2551.26 6271.41,2551.26 4996.41,2751.26 2696.41,2776.26 5696.41,2776.26 4400.92,2874.6 4650.09,2902.83 7421.41,3051.26 2971.41,3126.26 3046.41,3476.26 6246.41,3476.26 2121.41,3526.26 3771.41,3901.26 3046.41,4101.26 5946.41,4176.26 2421.41,4501.26 4768.72,4716.95 3046.41,4951.26 6021.41,5301.26 3771.41,5501.26 4521.41,5501.26 2196.41,5601.26 7021.41,5651.26
CS: U6.CN7_20 U11.6 | length 5028.3
  Top Layer w19.68: U11.6 v1(4320,2740)
  Top Layer w20: v1(2646.46,3440.94) 4181.89,4976.38 4181.89,5333.7 U6.CN7_20
  Bottom Layer w20: v1(2646.46,3440.94) 2646.46,3066.93 2862.99,2850.39 4209.61,2850.39 v1(4320,2740)
I2C_A_SCL: U6.CN7_2 U9.4 U10.4 | length 6953
  Top Layer w19.68: v1(5550,2150) U10.4 v1(5550,2820) ; U9.4 v1(5600,1410)
  Top Layer w20: v1(3158.27,5133.86) 3158.27,5332.44 U6.CN7_2
  Bottom Layer w20: v1(3158.27,5133.86) 3158.27,3775.59 2946.06,3563.39 2946.06,3338.67 3237.49,3047.24 5362.99,3047.24 5549.31,2860.93 5549.31,2820.69 v1(5550,2820) ; v1(5550,2150) 5550,1460 v1(5600,1410)
I2C_A_SDA: U6.CN7_4 U9.6 U10.5 | length 7361.4
  Top Layer w19.68: v1(5450,2770) U10.5 5450,1956.3 v1(5638.58,1767.72) ; U9.6 v1(5800,1410)
  Top Layer w20: v1(2981.1,5133.86) 2981.1,5414.98 3045.65,5479.53 3236.06,5479.53 U6.CN7_4
  Bottom Layer w20: v1(2981.1,5133.86) 2914.57,5067.32 2914.57,3310.63 3217.32,3007.87 5303.94,3007.87 5450,2861.81 v1(5450,2770) ; v1(5638.58,1767.72) 5638.58,1571.42 v1(5800,1410)
MISO: U6.CN7_12 U11.3 | length 5447.3
  Top Layer w19.68: U11.3 v1(4620,2750)
  Top Layer w20: v1(2843.31,5133.86) 2843.31,5366.27 3019.56,5542.52 3573.07,5542.52 U6.CN7_12
  Bottom Layer w20: v1(2843.31,5133.86) 2843.31,3086.61 2961.42,2968.5 4401.5,2968.5 v1(4620,2750)
MOSI: U6.CN7_14 U11.4 | length 5600.6
  Top Layer w19.68: U11.4 v1(4520,2750)
  Top Layer w20: v1(2705.51,3440.94) 4213.39,4948.82 4213.39,5375.42 4142.15,5446.65 3872.48,5446.65 U6.CN7_14
  Bottom Layer w20: v1(2705.51,3440.94) 2705.51,3086.61 2902.36,2889.76 4215.22,2889.76 4414.99,2690 4460,2690 v1(4520,2750)
NetC1_2: C1.2 R1.1 U2.5 | length 761
  Top Layer w19.68: R1.1 3587.4,1402.6 3490,1500 3490,1650 3525.04,1685.04 C1.2 3681.89,1685.04 3715.35,1651.57 U2.5
NetC3_2: C3.2 L1.1 SW1.3 U4.4 U4.5 | length 2136
  Top Layer w19.68: U4.4 U4.5 3257.15,2005.45 3319.55,2005.45 v1(3320,2005)
  Top Layer w20: C3.2 2851.73,2141.73 v1(2890,2180) ; v1(2825,1050) 2875,1000 2953.54,1000 SW1.3@2973.23,980.32 ; v1(2825,1650) 2875,1700 L1.1 3029.8,1736.42 3130.87,1837.48 3162.36,1837.48 3256.69,1931.81 U4.4
  Bottom Layer w20: v1(2825,1050) v1(2825,1650) ; v1(2890,2180) 3218.43,2180 3320,2078.43 v1(3320,2005)
NetD1_1: D1.1 R2.2 | length 289.3
  Top Layer w20: D1.1@2331.5,939.86 2331.5,1147.64 2362.01,1178.15 R2.2
NetD2_1: D2.1 R3.2 | length 609.8
  Top Layer w20: D2.1 2659.25,934.06 2705.51,980.32 2705.51,1118.11 2803.94,1216.54 2931.89,1216.54 2952.56,1237.2 R3.2
NetD3_A: D3.A L1.2 U4.1 | length 1390.1
  Top Layer w20: v1(3059.84,2023.62) 3060.91,2023.62 3080.59,2043.31 U4.1 3166.14,2043.31 3252.83,2130 3600,2130 3729.84,2259.84 D3.A ; L1.2 3220,1700 v1(3280,1760)
  Bottom Layer w20: v1(3059.84,2023.62) 3059.84,1980.16 v1(3280,1760)
NetR2_1: R2.1 U1.6 | length 433.4
  Top Layer w20: R2.1 2615.94,1579.72 2635.83,1599.61 U1.6
NetR3_1: R3.1 U1.7 | length 691.6
  Top Layer w20: U1.7 2679.92,1647.64 2707.48,1647.64 2941.73,1413.39 2986.27,1413.39 3124.07,1275.59 3186.81,1275.59 R3.1
NetR4_2: R4.2 U2.2 | length 534.4
  Top Layer w19.68: U2.2 3947.36,1651.57 3948.93,1650 v1(3950,1650)
  Top Layer w20: R4.2 v1(3945.67,1964.57)
  Bottom Layer w20: v1(3945.67,1964.57) 3985.04,1925.2 3985.04,1688.98 3984.67,1688.6 3984.67,1684.67 v1(3950,1650)
NetR5_1: R5.1 R6.2 U4.3 | length 1645.8
  Top Layer w20: R6.2 2222.24,2150.59 2311.81,2240.16 3020.47,2240.16 ; v1(2882.68,2102.36) 3020.47,2240.16 ; v1(3079.53,1905.51) 3142.52,1968.5 U4.3 ; R5.1 3020.47,2240.16
  Bottom Layer w20: v1(2882.68,2102.36) 2882.68,2043.31 3020.47,1905.51 v1(3079.53,1905.51)
NetRPROG_2: RPROG.2 U1.2 | length 1165.9
  Top Layer w20: U1.2 2390.55,1649.61 2311.81,1728.35 2055.91,1728.35 2016.54,1767.72 2016.54,1925.2 2055.91,1964.57 2225.2,1964.57 2411.22,2150.59 RPROG.2
NetU2_1: U2.1 U3.6 | length 244.1
  Top Layer w20: U3.6 U2.1
NetU2_3: U2.3 U3.4 | length 603.8
  Top Layer w20: U3.4 3965.35,1295.28 4024.41,1354.33 4024.41,1649.61 3985.04,1688.98 U2.3
SPI_A_SCK: U6.CN7_10 U11.5 | length 5211.3
  Top Layer w19.68: U11.5 v1(4420,2750)
  Top Layer w20: v1(2941.73,5350.39) 2941.73,5420.15 3032.6,5511.02 3504.57,5511.02 U6.CN7_10
  Bottom Layer w20: v1(2941.73,5350.39) 2744.88,5153.54 2744.88,3125.98 2941.73,2929.13 4240.94,2929.13 4420,2750.08 v1(4420,2750)
USART_A_RX: U6.CN10_16 U8.3 | length 4334.3
  Top Layer w19.68: v1(6918.11,2751.97) 7000,2670.08 U8.3
  Top Layer w20: U6.CN10_16 5032.48,5446.65 5902.15,5446.65 5933.86,5414.95 v1(5933.86,5173.23)
  Bottom Layer w20: v1(5933.86,5173.23) 6918.11,4188.98 v1(6918.11,2751.97)
USART_A_TX: U6.CN10_14 U8.2 | length 4587.6
  Top Layer w19.68: v1(7016.54,2751.97) 7100,2668.5 U8.2
  Top Layer w20: U6.CN10_14 4963.98,5478.15 6017.15,5478.15 6130.71,5364.59 v1(6130.71,5173.23)
  Bottom Layer w20: v1(6130.71,5173.23) 7016.54,4287.4 v1(7016.54,2751.97)
USART_B_RX: U6.CN9_4 U7.2 | length 5181
  Top Layer w19.68: U7.2 7640,1050 7677.59,1087.59 7677.59,2445.24
  Top Layer w20: U6.CN9_4 4722.05,3736.22 6386.61,3736.22 7677.59,2445.24
USART_B_TX: U6.CN9_6 U7.1 | length 5211.4
  Top Layer w19.68: U6.CN9_6 4755.83,3670 v1(4810,3670) ; U7.1 7660,950 7724.69,1014.68 7724.69,2457.2
  Top Layer w20: v1@4809.31,3670.69 v1(4810,3670) ; v1(6514.57,3667.32) 7724.69,2457.2
  Bottom Layer w20: v1(4810,3670) 6510.91,3670 6513.5,3667.41 v1@6513.5,3667.32
VCC: C2.2 D1.2 D2.2 U1.4 U1.8 U5.1 | length 2082.4
  Top Layer w20: U5.1 1980.23,1549.77 2035.02,1549.77 ; C2.2 C2.2@2060.83,940.94 ; D2.2 D1.2 2132.68,869.09 C2.2@2060.83,940.94 ; U1.8 2619.61,1699.61 2570,1650 2570,1610 2510,1550 2450,1550 U1.4 2449.44,1549.77 2035.02,1549.77 ; 2035.02,1549.77 2195,1389.79 2195,1030 2105.94,940.94 C2.2@2060.83,940.94
VOUT+: C4.2 D3.K R5.2 U6.CN11_6 | length 2387.4
  Top Layer w19.68: R5.2 3260.63,2724.34 3080,2904.97 3080,3296.23 3143.77,3360 3315.59,3360 U6.CN11_6
  Top Layer w20: C4.2 3036.22,2161.42 3193.7,2161.42 3260.63,2228.35 R5.2 3537.2,2240.16 D3.K
pads on no net: SW1.1 SW2.3 U2.4 U3.2 U3.5 U4.6 U5. U5.6 U5.7 U5.8 U5.9 U6.CN7_1 U6.CN7_3 U6.CN7_5 U6.CN7_6 U6.CN7_7 U6.CN7_8 U6.CN7_9 U6.CN7_11 U6.CN7_13 U6.CN7_15 U6.CN7_16 U6.CN7_17 U6.CN7_18 U6.CN7_19 U6.CN8_1 U6.CN8_2 U6.CN8_3 U6.CN8_4 U6.CN8_5 U6.CN8_6 U6.CN8_7 U6.CN8_8 U6.CN8_10 U6.CN8_11 U6.CN8_12 U6.CN8_13 U6.CN8_14 U6.CN8_15 U6.CN8_16 U6.CN9_1 U6.CN9_2 U6.CN9_3 U6.CN9_5 U6.CN9_7 U6.CN9_8 U6.CN9_9 U6.CN9_10 U6.CN9_11 U6.CN9_12 U6.CN9_13 U6.CN9_14 U6.CN9_15 U6.CN9_16 U6.CN9_17 U6.CN9_18 U6.CN9_19 U6.CN9_20 U6.CN9_21 U6.CN9_22 U6.CN9_23 U6.CN9_24 U6.CN9_25 U6.CN9_26 U6.CN9_27 U6.CN9_28 U6.CN9_29 U6.CN9_30 U6.CN10_1 U6.CN10_2 U6.CN10_3 U6.CN10_4 U6.CN10_5 U6.CN10_6 U6.CN10_7 U6.CN10_8 U6.CN10_9 U6.CN10_10 U6.CN10_11 U6.CN10_12 U6.CN10_13 U6.CN10_15 U6.CN10_17 U6.CN10_18 U6.CN10_19 U6.CN10_20 U6.CN10_21 U6.CN10_22 U6.CN10_23 U6.CN10_24 U6.CN10_25 U6.CN10_26 U6.CN10_27 U6.CN10_28 U6.CN10_29 U6.CN10_30 U6.CN10_31 U6.CN10_32 U6.CN10_33 U6.CN10_34 U6.CN11_1 U6.CN11_2 U6.CN11_3 U6.CN11_4 U6.CN11_5 U6.CN11_7 U6.CN11_9 U6.CN11_10 U6.CN11_11 U6.CN11_12 U6.CN11_13 U6.CN11_14 U6.CN11_15 U6.CN11_16 U6.CN11_17 U6.CN11_18 U6.CN11_19 U6.CN11_20 U6.CN11_21 U6.CN11_22 U6.CN11_23 U6.CN11_24 U6.CN11_25 U6.CN11_26 U6.CN11_27 U6.CN11_28 U6.CN11_29 U6.CN11_30 U6.CN11_31 U6.CN11_32 U6.CN11_33 U6.CN11_34 U6.CN11_35 U6.CN11_36 U6.CN11_37 U6.CN11_38 U6.CN11_39 U6.CN11_40 U6.CN11_41 U6.CN11_42 U6.CN11_43 U6.CN11_44 U6.CN11_45 U6.CN11_46 U6.CN11_47 U6.CN11_48 U6.CN11_49 U6.CN11_50 U6.CN11_51 U6.CN11_52 U6.CN11_53 U6.CN11_54 U6.CN11_55 U6.CN11_56 U6.CN11_57 U6.CN11_58 U6.CN11_59 U6.CN11_60 U6.CN11_61 U6.CN11_62 U6.CN11_63 U6.CN11_64 U6.CN11_65 U6.CN11_66 U6.CN11_67 U6.CN11_68 U6.CN11_69 U6.CN11_70 U6.CN11_71 U6.CN11_72 U6.CN12_1 U6.CN12_2 U6.CN12_3 U6.CN12_4 U6.CN12_5 U6.CN12_6 U6.CN12_7 U6.CN12_8 U6.CN12_9 U6.CN12_10 U6.CN12_11 U6.CN12_12 U6.CN12_13 U6.CN12_14 U6.CN12_15 U6.CN12_16 U6.CN12_17 U6.CN12_18 U6.CN12_19 U6.CN12_20 U6.CN12_21 U6.CN12_22 U6.CN12_23 U6.CN12_24 U6.CN12_25 U6.CN12_26 U6.CN12_27 U6.CN12_28 U6.CN12_29 U6.CN12_30 U6.CN12_31 U6.CN12_32 U6.CN12_33 U6.CN12_34 U6.CN12_35 U6.CN12_36 U6.CN12_37 U6.CN12_38 U6.CN12_39 U6.CN12_40 U6.CN12_41 U6.CN12_42 U6.CN12_43 U6.CN12_44 U6.CN12_45 U6.CN12_46 U6.CN12_47 U6.CN12_48 U6.CN12_49 U6.CN12_50 U6.CN12_51 U6.CN12_52 U6.CN12_53 U6.CN12_54 U6.CN12_55 U6.CN12_56 U6.CN12_57 U6.CN12_58 U6.CN12_59 U6.CN12_60 U6.CN12_61 U6.CN12_62 U6.CN12_63 U6.CN12_64 U6.CN12_65 U6.CN12_66 U6.CN12_67 U6.CN12_68 U6.CN12_69 U6.CN12_70 U6.CN12_71 U6.CN12_72 U8.1 U9.2 U9.5 U9.7 U10.2 U10.6

## Polygon pours and split planes (outlines as drawn)
BAT- on Bottom Layer "BAT-_L02_P001" (solid, remove dead copper, pour order 1): 1650,6144.09 1650,600 7950,600 7950,6144.09
BAT- on Top Layer "BAT-_L01_P002" (solid, remove dead copper, pour order 2): 1647.28,6138.95 1647.28,594.86 7947.28,594.86 7947.28,6138.95

## Silkscreen, mask and mechanical layers (free items; w line width, h text height)
Top Overlay:
  circle w10: c3110.65,2045.79 r3
  circle w10: c3940,1615 r3
  circle w10: c3740,1370 r3
  text "SECURE PERFORMANCE MONITOR" at 7675.83,2899.76 h118.11 r90
  text "BAT+" at 3522.6,931.26 h60
  text "BAT-" at 3817.87,931.26 h60
Board Outline:
  the board outline again, w10

## Text inside footprints (layer, text, board x,y; h text height)
U5: Mechanical 13 "PCB Edge" at 1779.59,1573.83 h26.25 r270